# Altium PCB MB1272C.PcbDoc (part 4 of 10) (continued)
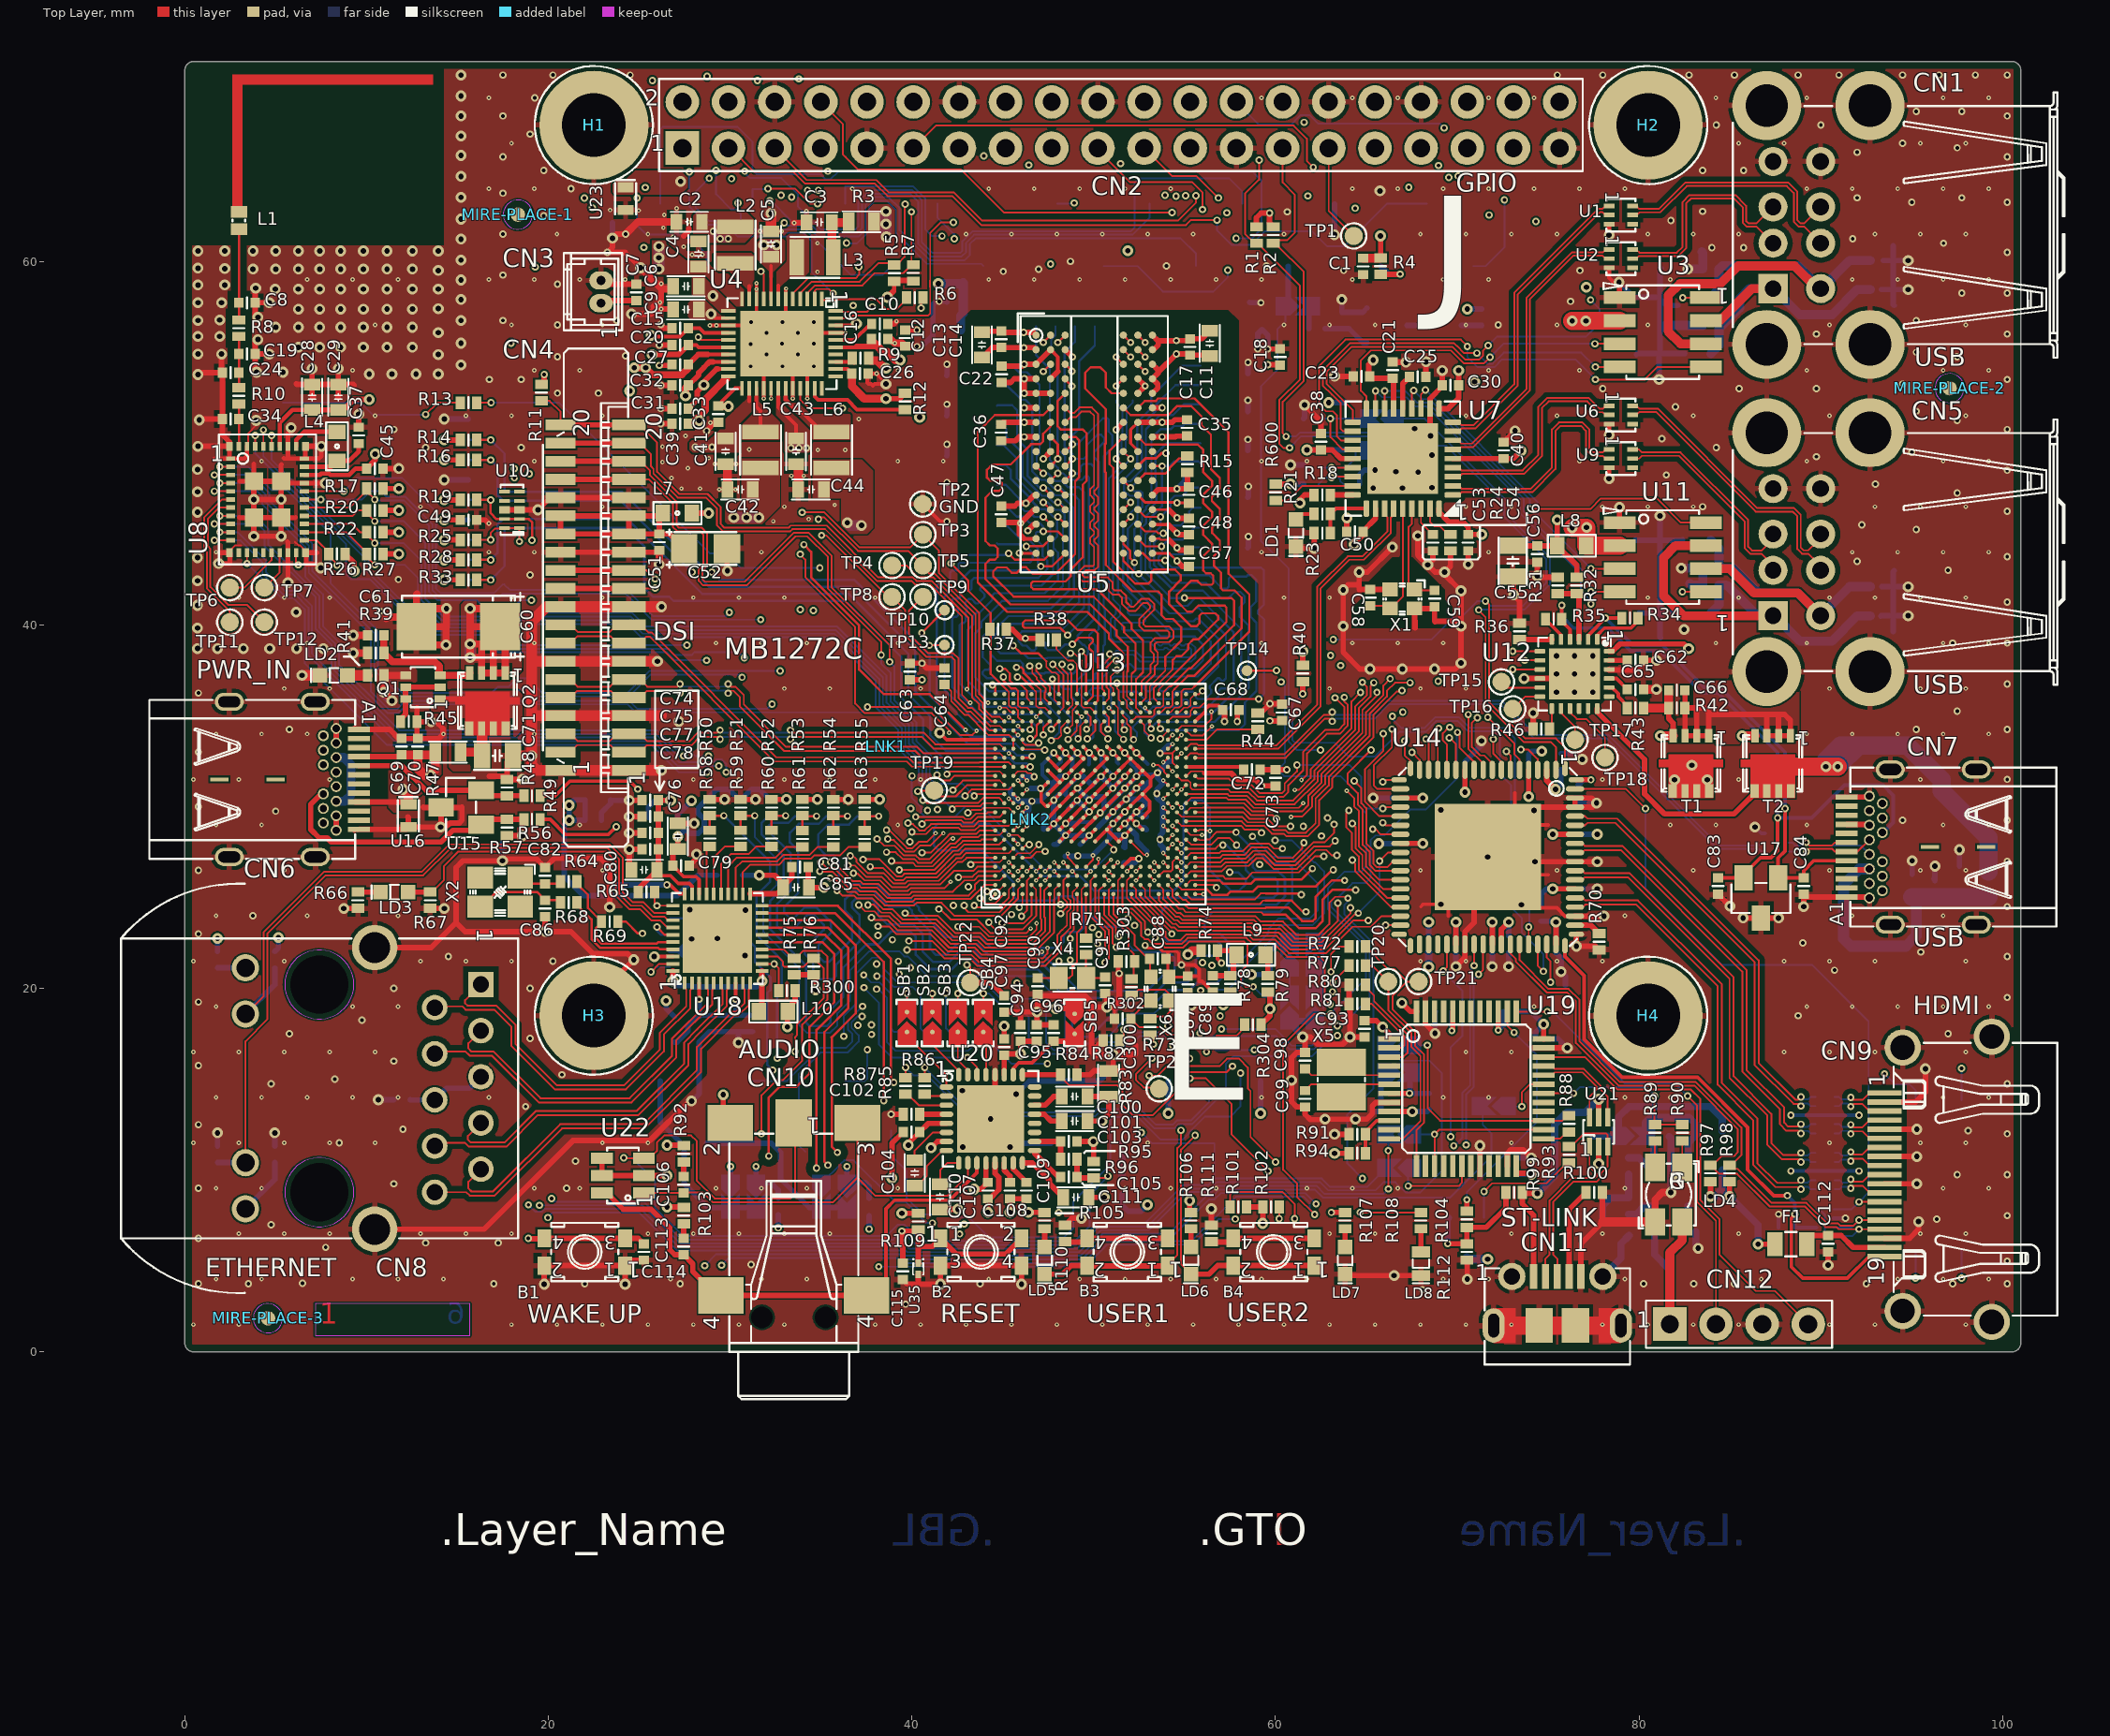
[diagram p0: Top Layer view]
## Nets (pads, with @x,y where several pads share a name; then routed paths per layer and width w, separated by ;. In a path a pad name is that pad's centre, name@x,y a point inside that pad or via, vN(x,y) a via of type N, cw(c..) or ccw(c..) an arc to the next point about the centre after c; other vN are vias at no path point) (continued)
  Top Layer w0.12: v1@48.05,47.52 U5.M3@48.43,47.14
  Bottom Layer w0.12: R124.1@44.68,53.15 44.71,53.18 45.25,53.18 45.25,53.161 46.031,52.38 46.249,52.38 46.62,52.009 46.62,48.441 47.081,47.98 47.34,47.98 47.78,47.54 v1(48.03,47.54) 48.19,47.54 48.554,47.176 48.894,47.176 49.2,46.87 49.2,41.267 47.993,40.06 45.48,40.06 45.07,39.65 45.07,39.35 44.73,39.01 44.73,38.574 44.864,38.44 46.123,38.44 46.401,38.162 47.432,38.162 47.46,38.19 48.57,38.19 v1@48.72,38.34 ; v1@48.64,38.32 v1@48.72,38.4
DDR_CASN: R116.1 U5.K3 U13.N20 | length 31.1
  Top Layer w0.09: U13.N20@50.58,34.69 50.39,34.5 50.39,34.13 v1(50.78,33.74)
  Top Layer w0.12: U5.K3@48.43,48.74 v1(48.83,49.14)
  Bottom Layer w0.12: R116.1@48.97,56.41 48.97,55.57 48.39,54.99 48.39,49.83 48.83,49.39 v1(48.83,49.14) 49.45,49.14 49.61,49.3 49.61,49.866 50.202,50.458 50.409,50.458 50.58,50.287 50.58,50.07 50.03,49.52 50.03,49.212 50.28,48.962 50.28,39.77 50.17,39.66 ; 50.169,39.661 49.969,39.661 49.75,39.441 49.75,39.203 50.1,38.853 50.1,37.996 50.36,37.736 50.36,37.577 50.08,37.297 50.08,37.05 49.97,36.94 49.677,36.94 49.168,36.431 49.168,36.248 49.736,35.681 50,35.681 50.12,35.561 50.12,34.894 50.33,34.684 50.33,34.19 v1(50.78,33.74)
DDR_CKE: R135.1 R136.2 U5.K9 U13.T20 | length 24.3
  Top Layer w0.09: U13.T20@52.08,34.69 52.33,34.94 53.205,34.94 53.33,35.065 53.33,35.324 53.446,35.44 53.694,35.44 53.83,35.576 53.83,36.303 54.147,36.62 54.25,36.62
  Top Layer w0.12: U5.K9@53.23,48.74 v1(53.76,48.74) ; 54.25,36.62 55.24,37.61 55.344,37.61 57.72,39.986 57.72,41.33 57.57,41.48 v1(54.99,41.48)
  Bottom Layer w0.12: 53.12,45.23 53.12,45.24 ; v1(54.99,41.48) 54.25,41.48 52.84,42.89 52.84,44.96 53.12,45.24 ; R135.1@55.86,48.91 55.78,48.99 R136.2@55.01,48.99 55,49 54.41,49 54.15,48.74 v1(53.76,48.74) 53.76,46.53 53.12,45.89 53.12,45.24
DDR_CLK_N: R125.2 U5.K7 U13.N23 | length 27
  Top Layer w0.1: U13.N23@50.58,36.19 50.58,36.371 50.49,36.461 50.49,36.465 50.48,36.475 50.48,37.77 50.88,38.17 v1(50.88,38.39) ; v1(51.23,49.14) U5.K7@51.63,48.74
  Bottom Layer w0.1: v1(50.88,38.39) 50.91,38.42 51.1,38.42 51.267,38.587 52.268,38.587 52.635,38.22 55.28,38.22 55.37,38.31 55.37,38.64 55.29,38.72 55.165,38.72 55.085,38.64 54.73,38.64 54.65,38.72 54.525,38.72 54.445,38.64 54.12,38.64 54.04,38.72 53.905,38.72 53.825,38.64 53.507,38.64 53.087,39.06 51.185,39.06 50.93,39.315 50.93,40.325 51.222,40.617 51.222,40.919 50.835,41.306 50.835,48.075 51.513,48.753 51.513,48.867 v1@51.24,49.14 ; v1(51.23,49.14) 51.23,49.19 51.52,49.48 51.52,50.21 51.58,50.27 51.58,51.89 51.24,52.23 R125.2@51.24,52.36
DDR_CLK_P: R125.1 U5.J7 U13.N22 | length 27.5
  Top Layer w0.09: 50.83,35.94 50.83,36.446
  Top Layer w0.1: U13.N22@50.58,35.69 50.83,35.94 ; 50.83,36.446 50.72,36.556 50.72,36.56 50.71,36.57 50.71,37.675 51.075,38.04 v1(51.25,38.04) ; U5.J7@51.63,49.54 v1(52.03,49.14)
  Bottom Layer w0.1: 51.065,41.401 51.069,41.401 51.069,47.984 51.743,48.657 51.743,48.85 52.03,49.137 v1(52.03,49.14) 51.75,49.42 51.75,50.114 51.81,50.174 51.81,51.89 52.14,52.22 R125.1@52.14,52.36 ; 51.11,41.36 51.452,41.018 51.452,40.522 51.16,40.23 51.16,39.41 51.28,39.29 53.182,39.29 53.602,38.87 53.73,38.87 53.81,38.95 54.135,38.95 54.215,38.87 54.35,38.87 54.43,38.95 54.745,38.95 54.825,38.87 54.99,38.87 55.07,38.95 55.385,38.95 55.6,38.735 55.6,38.215 55.375,37.99 52.54,37.99 52.173,38.357 51.363,38.357 51.26,38.255 51.26,38.05 v1(51.25,38.04)
DDR_CSN: R118.1 U5.L2 U13.M22 | length 31.5
  Top Layer w0.12: U5.L2@47.63,47.94 v1(48.03,48.34) ; v1(48.56,39.44) 48.16,39.84 46.19,39.84 46.11,39.92 46.11,40.12 46.24,40.25 48.58,40.25 49.11,39.72 50.04,39.72 50.23,39.53 50.23,35.84 U13.M22@50.08,35.69
  Bottom Layer w0.12: R118.1@46.82,56.41 46.82,54.859 47.59,54.089 47.59,49.071 47.817,48.844 48.03,48.631 v1(48.03,48.34) 48.321,48.34 48.681,47.98 49.35,47.98 49.55,48.18 49.67,48.18 49.74,48.11 49.74,40.619 v1@48.56,39.44
DDR_DQ0: U5.A2 U13.E22 | length 24
  Top Layer w0.09: 46.21,36.5 46.331,36.379 46.331,36.294 ; 46.33,36.086 46.33,36.294 ; 46.331,36.086 46.331,35.959 U13.E22@46.58,35.71
  Top Layer w0.12: v1(44.83,37.59) 45.129,37.59 45.39,37.329 45.39,36.94 45.56,36.77 45.94,36.77 46.21,36.5 ; U13.E22@46.58,35.69 U13.E22@46.58,35.71 ; v1(47.23,55.54) U5.A2@47.63,55.94
  Signal Layer 2 w0.12: v1@44.84,37.595 v1@44.89,37.595
  Signal Layer 2 w0.127: v1@44.84,37.595 44.28,37.595 44.02,37.855 44.02,40.635 46.74,43.355 46.74,44.685 46.85,44.795 46.85,45.515 46.74,45.625 46.74,52.931 47.604,53.795 47.604,54.442 47.24,54.806 v1@47.24,55.545
DDR_DQ1: U5.C3 U13.F22 | length 25.1
  Top Layer w0.09: 46.83,36.67 47.08,36.42 U13.F22@47.08,35.69
  Top Layer w0.12: v1@45.8,37.66 46.01,37.66 46.14,37.53 46.14,37.36 46.83,36.67 ; U5.C3@48.43,54.34 48.8,53.97 v1(48.8,53.95)
  Signal Layer 2 w0.127: v1@45.76,37.665 45.76,38.045 44.95,38.855 44.95,39.345 50.16,44.555 50.16,44.825 49.99,44.995 49.35,44.995 49.07,45.275 49.07,45.545 49.3,45.775 49.55,45.775 49.82,46.045 49.82,46.425 49.63,46.615 48.99,46.615 48.59,47.015 48.59,47.265 49.206,47.881 49.206,49.821 49.42,50.035 49.42,50.905 48.386,51.938 48.386,53.31 48.635,53.558 48.635,53.78 v1@48.81,53.955
  other v1: 45.75,37.66
DDR_DQ2: U5.A7 U13.H21 | length 25.4
  Top Layer w0.09: v1(47.75,37.83) 48.335,37.245 ; U13.H21@48.08,35.19 48.08,35.2 48.335,35.455 ; 48.33,35.455 48.33,37.245
  Top Layer w0.12: U5.A7@51.63,55.94 v1(52.03,55.54)
  Signal Layer 2 w0.127: v1@47.76,37.835 47.76,38.365 48.164,38.769 48.164,39.615 48.947,40.398 51.253,40.398 53.297,42.442 53.297,51.998 52.44,52.855 52.44,55.145 v1@52.04,55.545
DDR_DQ3: U5.C2 U13.E21 | length 24.1
  Top Layer w0.09: 45.71,36.5 45.83,36.38 45.83,35.58 45.97,35.44 46.33,35.44 U13.E21@46.58,35.19
  Top Layer w0.12: v1(45.03,37.13) 45.03,36.93 45.46,36.5 45.71,36.5 ; v1(47.23,53.94) U5.C2@47.63,54.34
  Signal Layer 2 w0.12: v1@45.04,37.135 v1@45.09,37.135
  Signal Layer 2 w0.127: v1@45.04,37.135 43.78,37.135 43.54,37.375 43.54,43.175 45.5,45.135 45.5,46.895 45.74,47.135 45.74,48.195 45.63,48.305 45.63,53.535 46.04,53.945 v1@47.24,53.945
DDR_DQ4: U5.B8 U13.J21 | length 26.2
  Top Layer w0.09: U13.J21@48.583,35.185 48.583,35.339 48.83,35.586 48.83,35.915 48.773,35.972 ; v1(48.73,37.69) 48.73,37.399 48.77,37.359 48.77,35.972
  Top Layer w0.12: U5.B8@52.43,55.245 U5.B8@52.43,55.14 v1(52.83,54.74)
  Signal Layer 2 w0.127: v1@48.735,37.69 48.95,37.475 49.524,37.475 50.307,38.258 50.307,38.435 51.37,39.498 53.213,39.498 54.36,40.645 54.36,41.364 55.59,42.594 55.59,42.75 ; v1@52.84,54.745 55.593,51.992 55.593,42.75
DDR_DQ5: U5.C8 U13.J22 | length 25
  Top Layer w0.09: v1(48.25,37.83) 48.25,37.61 48.58,37.28 U13.J22@48.58,35.69
  Top Layer w0.12: U5.C8@52.43,54.34 52.43,54.32 v1@52.81,53.94
  Signal Layer 2 w0.127: v1@48.26,37.835 48.501,38.076 49.521,38.076 49.88,38.435 49.88,38.955 50.85,39.925 52.67,39.925 53.11,40.365 53.11,40.635 52.83,40.915 52.83,41.327 53.188,41.685 54.05,41.685 54.35,41.985 54.35,42.465 54.97,43.085 54.97,51.842 v1@52.867,53.945
  other v1: 52.83,53.94
DDR_DQ6: U5.D7 U13.H22 | length 25.4
  Top Layer w0.09: v1(47.73,37.02) v1@47.835,36.915 ; 47.83,35.895 v1@47.83,36.915 ; 47.835,35.895 48.08,35.65 U13.H22@48.08,35.69
  Top Layer w0.12: v1@51.25,53.16 U5.D7@51.63,53.54
  Signal Layer 2 w0.127: v1@47.74,37.025 47.38,37.385 47.38,39.005 47.72,39.345 47.72,40.03 48.515,40.825 51.014,40.825 52.87,42.681 52.87,47.865 52.68,48.055 52.33,48.055 52.13,48.255 52.13,48.395 52.31,48.575 52.64,48.575 52.79,48.725 52.79,49.685 52.53,49.945 51.87,49.945 51.7,50.115 51.7,50.545 51.82,50.665 52.49,50.665 52.67,50.845 52.67,51.265 51.75,52.185 51.5,52.185 51.24,52.445 v1@51.24,53.145
  other v1: 51.23,53.14
DDR_DQ7: U5.A3 U13.G21 | length 25.9
  Top Layer w0.09: 46.66,36.49 46.83,36.32 46.83,36.086 46.828,36.084 46.828,35.796 46.83,35.794 46.83,35.586 ; 46.83,35.586 46.83,35.554 46.943,35.44 46.976,35.44 ; 46.979,35.44 47.181,35.44 ; 47.186,35.44 47.323,35.44 47.573,35.19 U13.G21@47.58,35.19
  Top Layer w0.12: v1(45.8,37.14) 46.01,37.14 46.66,36.49 ; v1(48.03,55.54) U5.A3@48.43,55.94
  Signal Layer 2 w0.127: v1@45.81,37.145 45.61,37.145 45.33,37.425 45.33,37.89 45.19,38.03 44.595,38.03 44.45,38.175 44.45,39.953 45.621,41.124 45.621,41.556 45.83,41.765 46.262,41.765 48.655,44.158 48.655,44.58 47.65,45.585 47.65,49.995 48.2,50.545 48.2,51.445 47.78,51.865 47.78,53.298 47.96,53.477 47.96,53.487 48.04,53.568 v1@48.04,55.545
DDR_DQ8: U5.F2 U13.T21 | length 26
  Top Layer w0.09: 51.48,38.61 51.63,38.46 51.63,36 51.83,35.795 51.83,35.435 ; 51.835,35.435 U13.T21@52.08,35.19
  Top Layer w0.12: U5.F2@47.63,51.94 47.23,51.54 44.56,51.54 43.62,50.6 43.62,42.34 45.25,40.71 49.644,40.71 50.83,39.524 50.83,39.25 51.45,38.63
DDR_DQ9: U5.E3 U13.U21 | length 26.2
  Top Layer w0.09: 52.33,35.435 52.33,37.02 ; 52.335,35.435 U13.U21@52.58,35.19
  Top Layer w0.12: U5.E3@48.43,52.74 48.02,52.33 48.02,50.93 48.21,50.74 49.41,50.74 49.61,50.54 49.61,47.932 49.4,47.722 49.4,43.722 48.74,43.062 48.74,42.68 48.45,42.39 46.66,42.39 46.56,42.29 46.56,42.08 46.67,41.97 50.166,41.97 52.09,40.046 52.09,39.772 52.717,39.145 52.717,37.397 52.34,37.02
DDR_DQ10: U5.G2 U13.T22 | length 25.9
  Top Layer w0.09: 51.83,37.43 51.83,36.077 52.08,35.827 U13.T22@52.08,35.69
  Top Layer w0.12: U5.G2@47.63,51.14 47.63,50.92 47.22,50.51 47.22,50.1 47.06,49.94 46.55,49.94 45.435,48.825 44.425,48.825 44.13,48.53 44.13,48.1 44.3,47.93 44.83,47.93 44.95,47.81 44.95,47.52 44.8,47.37 44.41,47.37 44.04,47 44.04,44.62 44.29,44.37 44.55,44.37 44.72,44.2 44.72,43.74 44.56,43.58 44.27,43.58 44.04,43.35 44.04,42.514 45.424,41.13 49.818,41.13 51.25,39.698 51.25,39.424 51.877,38.797 51.877,37.452 51.855,37.43
DDR_DQ11: U5.F7 U13.W21 | length 25.8
  Top Layer w0.09: U13.W21@53.58,35.19 53.713,35.19 53.963,35.44 54.193,35.44 54.33,35.577 54.33,36.351 ; 54.335,36.351 54.457,36.473
  Top Layer w0.12: U5.F7@51.63,51.94 52.03,51.54 54.1,51.54 54.6,52.04 55.356,52.04 55.933,51.463 55.933,50.977 56.45,50.46 56.45,48.57 56.94,48.08 56.94,47.496 56.497,47.053 56.497,46.823 56.94,46.38 56.94,45.786 56.51,45.356 56.51,45.06 56.94,44.63 56.94,44.106 56.61,43.776 56.61,43.26 57,42.87 57,42.01 57.11,41.9 57.744,41.9 58.14,41.504 58.14,39.81 55.52,37.19 55.174,37.19 54.457,36.473
DDR_DQ12: U5.H8 U13.W23 | length 25.1
  Top Layer w0.09: U13.W23@53.58,36.19 53.58,36.44 54.245,37.105
  Top Layer w0.12: U5.H8@52.43,50.34 52.85,49.92 55.73,49.92 56.03,49.62 56.03,48.396 56.52,47.906 56.52,47.67 56.03,47.18 56.03,46.696 56.52,46.206 56.52,45.96 56.03,45.47 56.03,44.946 56.52,44.456 56.52,44.28 56.03,43.79 56.03,42.99 56.182,42.838 56.438,42.838 56.58,42.696 56.58,42.3 56.487,42.207 55.92,42.207 55.707,42.42 55.336,42.42 54.57,41.654 54.57,41.306 55.148,40.728 55.426,40.728 55.758,41.06 57.2,41.06 57.3,40.96 57.3,40.16 54.245,37.105
DDR_DQ13: U5.H3 U13.T23 | length 25.3
  Top Layer w0.09: U13.T23@52.08,36.19 52.08,37.31
  Top Layer w0.12: U5.H3@48.43,50.34 49.02,50.34 49.19,50.17 49.19,48.106 48.98,47.896 48.98,43.896 47.894,42.81 46.64,42.81 46.28,43.17 46.08,43.17 45.78,42.87 45.49,42.87 45.2,43.16 44.69,43.16 44.469,42.939 44.469,42.679 45.598,41.55 49.992,41.55 51.67,39.872 51.67,39.598 52.297,38.971 52.297,37.507 52.1,37.31
DDR_DQ14: U5.H7 U13.W22 | length 24.5
  Top Layer w0.09: U13.W22@53.58,35.69 53.31,35.96 53.31,36.53 54.34,37.56 54.34,37.794 54.355,37.809
  Top Layer w0.12: U5.H7@51.63,50.34 50.87,49.58 50.87,48.84 51.08,48.63 51.08,44.18 51.08,43.476 52.291,42.265 52.99,42.265 53.17,42.445 53.17,42.9 53.32,43.05 54.47,43.05 54.78,42.74 54.78,42.458 54.15,41.828 54.15,41.132 55.362,39.92 55.65,39.92 55.81,40.08 55.81,40.5 55.95,40.64 56.69,40.64 56.84,40.49 56.84,40.294 55.746,39.2 55.477,39.2 55.198,38.921 55.198,38.652 54.826,38.28 54.557,38.28 54.355,38.078 54.355,37.809
DDR_DQ15: U5.F8 U13.Y21 | length 24.2
  Top Layer w0.09: U13.Y21@54.079,35.192 54.216,35.192 54.464,35.44 54.692,35.44 54.83,35.578 54.83,36.345 ; 54.835,36.345 54.97,36.48 55.404,36.48 55.517,36.593
  Top Layer w0.12: U5.F8@52.43,51.94 52.81,52.32 53.43,52.32 53.457,52.347 ; 53.444,52.36 53.544,52.46 55.55,52.46 57.42,50.59 57.42,42.818 58.56,41.678 58.56,39.636 55.517,36.593
DDR_DQM0: U5.D3 U13.H23 | length 24.7
  Top Layer w0.09: 47.39,37.997 47.39,37.68 47.697,37.373 47.897,37.373 48.08,37.19 U13.H23@48.08,36.19
  Top Layer w0.12: v1(45.57,38.86) 45.99,38.44 46.947,38.44 47.39,37.997 ; U5.D3@48.41,53.543 48.387,53.52 48.41,53.52 v1(48.8,53.13)
  Signal Layer 2 w0.127: v1@45.58,38.865 45.58,39.371 48.334,42.125 49.65,42.125 49.78,42.255 49.78,42.475 49.67,42.585 49.22,42.585 49.087,42.718 49.087,42.878 49.564,43.355 49.82,43.355 50.587,44.122 50.587,45.002 50.247,45.342 50.247,46.045 50.41,46.208 50.41,46.625 49.993,47.042 49.493,47.042 49.347,47.188 49.347,47.418 49.633,47.705 49.633,49.645 49.847,49.858 49.847,51.082 48.813,52.115 v1@48.813,53.134
DDR_DQM1: U5.E7 U13.V22 | length 26.8
  Top Layer w0.09: 50.675,43.308 50.675,44.61 ; U13.V22@53.08,35.69 53.08,36.62 53.935,37.475 53.935,37.728
  Top Layer w0.12: U5.E7@51.63,52.74 50.98,52.74 50.66,53.06 50.66,53.87 50.35,54.18 49.84,54.18 49.53,53.87 49.53,53 50.66,51.87 50.66,49.98 50.62,49.94 50.62,48.43 50.66,48.39 50.66,43.302 52.117,41.845 53.539,41.845 53.73,41.654 53.73,40.53 53.933,40.327 54.362,40.327 54.807,39.882 54.807,39.124 53.935,38.252 53.935,37.728
DDR_DQS0_N: U5.B7 U13.G23 | length 24.7
  Top Layer w0.1: v1(46.98,37.74) 46.85,37.61 46.85,37.45 47.09,37.21 47.09,37.103 47.58,36.613 U13.G23@47.58,36.19 ; U5.B7@51.63,55.14 v1(52.03,54.74)
  Signal Layer 2 w0.09: v1@46.99,37.76 46.85,37.9 46.85,39.738 48.598,41.486 50.467,41.486 50.965,41.985 50.965,42.635 50.733,42.868 50.733,43.162 50.988,43.417 51.348,43.417 51.72,43.79 51.72,44.345 51.225,44.839 51.225,46.895 50.485,47.635 50.485,53.665 50.565,53.745 51.525,53.745 51.75,53.97 51.75,54.47 v1@52.025,54.745
DDR_DQS0_P: U5.C7 U13.G22 | length 25.4
  Top Layer w0.1: v1(46.48,37.74) 46.62,37.6 46.62,37.355 46.86,37.115 46.86,37.007 47.35,36.517 47.35,36.314 47.3,36.264 47.3,35.97 U13.G22@47.58,35.69 ; v1(51.23,54.74) U5.C7@51.63,54.34
  Signal Layer 2 w0.09: v1@46.49,37.765 46.61,37.885 46.61,39.823 48.503,41.716 50.371,41.716 50.735,42.08 50.735,42.54 50.503,42.772 50.503,43.258 50.892,43.647 51.252,43.647 51.49,43.885 51.49,44.25 50.995,44.744 50.995,46.799 50.255,47.539 50.255,53.76 50.47,53.975 51.43,53.975 51.52,54.065 51.52,54.465 v1@51.24,54.745
  Signal Layer 2 w0.1: v1@51.24,54.745 v1@51.28,54.745
DDR_DQS1_N: U5.G3 U13.U23 | length 25.2
  Top Layer w0.1: U5.G3@48.43,51.14 48.71,51.42 49.005,51.42 49.315,51.73 49.8,51.73 50.02,51.51 50.02,47.69 49.81,47.48 49.81,47.13 50.02,46.92 50.02,46.755 49.81,46.545 49.81,46.22 50.02,46.01 50.02,45.855 49.81,45.645 49.81,45.33 50.02,45.12 50.02,45.005 49.81,44.795 49.81,44.48 50.02,44.27 50.02,43.305 49.955,43.24 49.498,43.24 49.167,42.909 49.167,42.615 49.401,42.38 50.677,42.38 50.8,42.257 50.8,41.916 51.056,41.66 51.397,41.66 51.548,41.508 51.548,41.167 51.955,40.76 52.285,40.76 52.73,41.205 52.945,41.205 53.09,41.06 53.09,40.915 52.5,40.325 52.5,39.942 52.755,39.687 54.04,39.687 54.167,39.56 54.167,39.389 54.06,39.282 53.372,39.282 53.127,39.037 53.127,38.568 53.295,38.4 53.295,37.972 53.127,37.804 53.127,37.382 52.63,36.885 52.63,36.24 U13.U23@52.58,36.19
DDR_DQS1_P: U5.F3 U13.U22 | length 26.2
  Top Layer w0.1: U5.F3@48.43,51.94 48.72,51.65 48.91,51.65 49.22,51.96 49.895,51.96 50.25,51.605 50.25,47.595 50.04,47.385 50.04,47.225 50.25,47.015 50.25,46.66 50.04,46.45 50.04,46.315 50.25,46.105 50.25,45.76 50.04,45.55 50.04,45.425 50.25,45.215 50.25,44.91 50.04,44.7 50.04,44.575 50.25,44.365 50.25,43.21 50.05,43.01 49.593,43.01 49.397,42.813 49.397,42.71 49.497,42.61 50.772,42.61 51.03,42.352 51.03,42.011 51.151,41.89 51.492,41.89 51.786,41.596 51.786,41.255 52.05,40.99 52.19,40.99 52.635,41.435 53.04,41.435 53.32,41.155 53.32,40.82 52.73,40.23 52.73,40.037 52.85,39.917 54.135,39.917 54.397,39.655 54.397,39.294 54.155,39.052 53.468,39.052 53.357,38.942 53.357,38.663 53.525,38.495 53.525,37.876 53.357,37.708 53.357,37.287 52.86,36.79 52.86,35.97 U13.U22@52.58,35.69
DDR_ODT: R122.1 U5.K1 U13.L22 | length 31.3
  Top Layer w0.12: U5.K1@46.83,48.74 v1(47.23,48.34) ; v1(48.82,38.93) 49.19,39.3 49.85,39.3 49.96,39.19 49.96,39.08 49.75,38.87 49.75,38.704 49.957,38.497 49.957,36.067 U13.L22@49.58,35.69
  Bottom Layer w0.12: R122.1@44.68,54.22 44.73,54.27 45.52,54.27 45.89,53.9 46.329,53.9 47.02,53.209 47.02,49.439 46.87,49.289 46.87,48.7 v1(47.23,48.34) 47.479,48.34 47.904,47.915 48.235,47.915 48.565,47.585 49.175,47.585 49.47,47.29 49.47,40.943 48.167,39.64 46.06,39.64 45.86,39.44 45.86,39.099 46.099,38.86 46.297,38.86 46.575,38.582 46.73,38.582 46.83,38.682 46.83,38.94 47.01,39.12 47.23,39.12 47.34,39.01 47.34,38.74 47.47,38.61 48.11,38.61 48.43,38.93 v1(48.82,38.93)
DDR_RASN: R115.1 U5.J3 U13.N21 | length 30.1
  Top Layer w0.09: U13.N21@50.58,35.19 50.83,34.93 v1@50.83,34.32 ; v1(50.78,34.26) v1@50.84,34.32
  Top Layer w0.1: U5.J3@48.416,49.52 U5.J3@48.418,49.521
  Top Layer w0.12: U5.J3@48.43,49.54 v1(48.83,49.94)
  Bottom Layer w0.12: R115.1@50.06,56.41 50.06,55.37 49.19,54.5 49.19,50.78 48.83,50.42 v1(48.83,49.94) 49.09,49.94 50.51,51.36 50.75,51.36 50.82,51.29 50.82,50.641 51.02,50.441 51.02,49.74 50.55,49.27 50.55,40.94 50.62,40.87 50.62,38.93 50.52,38.83 50.52,38.17 50.78,37.91 50.78,37.403 50.5,37.123 50.5,36.6 50.42,36.52 49.92,36.52 49.76,36.36 49.76,36.251 49.91,36.101 50.459,36.101 50.54,36.02 50.54,35.068 50.75,34.858 v1@50.75,34.26
DDR_RESETN: R37.2 U5.T2 U13.D20 | length 16.7
  Top Layer w0.09: 45.226,36.413 45.33,36.309 45.33,35.57 45.46,35.44 45.688,35.44 45.83,35.3 45.83,34.94 U13.D20@46.08,34.69
  Top Layer w0.12: v1(42.15,43.38) 43.09,42.44 43.09,41.89 44.33,40.65 44.33,37.3 44.339,37.3 45.226,36.413 ; v1(45.32,43.93) 45.66,43.59 ; 45.66,43.58 47.28,43.58 ; 47.28,43.59 U5.T2@47.63,43.94
  Bottom Layer w0.12: v1(42.15,43.38) 42.15,43.75 42.25,43.85 45.12,43.85 45.2,43.93 v1(45.32,43.93)
DDR_WEN: R117.1 U5.L3 U13.M20 | length 30.2
  Top Layer w0.09: v1(49.65,33.73) 50.08,34.16 U13.M20@50.08,34.69
  Top Layer w0.12: U5.L3@48.43,47.94 v1(48.83,48.34)
  Bottom Layer w0.12: R117.1@47.9,56.41 47.9,55.93 47.66,55.69 47.66,55.15 48.01,54.8 48.01,49.669 48.43,49.249 48.43,48.74 v1(48.83,48.34) ; 48.4,36.9 49.044,36.9 49.746,37.603 49.746,37.756 49.56,37.942 49.56,38.26 49.68,38.38 49.68,38.689 49.474,38.895 ; 48.44,36.9 48.4,36.9 48.21,36.9 48.151,36.841 48.151,36.671 48.341,36.481 48.669,36.481 48.748,36.402 48.748,36.074 49.69,35.133 49.69,34.73 49.97,34.45 49.97,34.33 49.97,33.81 49.89,33.73 v1(49.65,33.73) v1@49.65,33.791 ; v1@48.797,48.33 49.17,48.33 49.29,48.45 49.29,48.71 49.43,48.85 49.86,48.85 50.01,48.7 50.01,40.295 49.11,39.395 49.11,39.2 49.42,38.89 49.469,38.89
DSCL: CN9.15 R98.1 U14.49 U33.3 | length 32.3
  Top Layer w0.1: U14.49@73.425,22.425 73.425,21.55 75,19.975 76.125,19.975 76.725,19.375 76.725,17.083 78.958,14.85 83.121,14.85 85.625,12.346 85.625,10.825 85.075,10.275 R98.1@84.975,10.275 84.975,10.075 85.408,10.075 87.283,8.2 89.208,8.2 90.333,7.075 90.933,7.075 91.058,6.95 91.8,6.95 v1(92.1,7.25) CN9.15@93.5,7.25
  Bottom Layer w0.1: U33.3@90.7,6.85 91.7,6.85 v1(92.1,7.25)
DSDA: CN9.16 R97.1 U14.48 U33.6 | length 36.2
  Top Layer w0.1: U14.48@72.925,22.425 72.925,21.925 73.225,21.625 73.225,21.467 74.917,19.775 76.042,19.775 76.525,19.292 76.525,17 78.875,14.65 83.039,14.65 85.425,12.264 85.425,10.975 85.225,10.775 84.55,10.775 84.05,10.275 R97.1@83.925,10.275 84.4,9.8 85.4,9.8 87.2,8 89.125,8 90.25,6.875 90.85,6.875 90.975,6.75 v1(92.1,6.75) CN9.16@93.5,6.75
  Bottom Layer w0.1: U33.6@89.75,7.85 89.912,7.85 90.225,7.537 90.225,6.625 90.475,6.375 91.725,6.375 v1(92.1,6.75)
DSI_CK_N: CN4.5 U13.A16 | length 26.4
  Top Layer w0.09: 30.337,36.226 30.337,36.233
  Top Layer w0.1: CN4.5@20.675,36 21.215,36 21.584,36.369 23.436,36.369 23.805,36 CN4.5@24.425,36 25.053,36 25.424,36.371 27.117,36.371 v1(27.245,36.243) ; v1(29.897,36.24) 30.029,36.373 30.191,36.373 30.337,36.226 30.525,36.039 30.525,35.52 32.981,33.064 40.181,33.064 40.555,32.69 U13.A16@44.58,32.69
  Bottom Layer w0.1: v1(27.245,36.243) 27.378,36.375 29.762,36.375 v1(29.897,36.24)
DSI_CK_P: CN4.6 U13.B16 | length 27.1
  Top Layer w0.09: 43.697,32.93 43.707,32.94 44.83,32.94 U13.B16@45.08,32.69
  Top Layer w0.1: CN4.6@20.675,37 21.202,37 21.604,36.599 23.394,36.599 23.795,37 CN4.6@24.425,37 25.044,37 25.443,36.601 27.103,36.601 v1(27.245,36.743) ; v1(29.897,36.74) 30.034,36.603 30.286,36.603 30.755,36.134 30.755,35.615 33.076,33.294 40.276,33.294 40.64,32.93 43.697,32.93
  Bottom Layer w0.1: v1(27.245,36.743) 27.383,36.605 29.762,36.605 v1(29.897,36.74)
DSI_D0_N: CN4.8 U13.B15 | length 27.8
  Top Layer w0.09: 43.698,32.2 43.708,32.19 U13.B15@45.08,32.19
  Top Layer w0.1: CN4.8@20.675,39 21.223,39 21.608,39.385 23.423,39.385 23.808,39 CN4.8@24.425,39 25.053,39 25.405,39.352 25.573,39.352 32.44,32.485 39.71,32.485 39.995,32.2 43.698,32.2
DSI_D0_P: CN4.9 U13.C15 | length 28.5
  Top Layer w0.09: 43.699,32.43 43.709,32.44 45.33,32.44 U13.C15@45.58,32.19
  Top Layer w0.1: CN4.9@20.675,40 21.232,40 21.617,39.615 23.378,39.615 23.763,40 CN4.9@24.425,40 25.082,40 25.5,39.582 25.668,39.582 32.535,32.715 39.805,32.715 40.09,32.43 43.699,32.43
DSI_D1_N: CN4.2 U13.A17 | length 25.1
  Top Layer w0.09: 43.7,33.2 43.71,33.19 U13.A17@44.58,33.19
  Top Layer w0.1: CN4.2@20.675,33 21.208,33 21.593,33.385 23.418,33.385 23.803,33 CN4.2@24.425,33 25.034,33 25.405,33.371 27.861,33.371 28.332,33.842 29.311,33.842 v1(29.446,33.707) ; v1(33.313,33.707) 33.448,33.842 40.544,33.842 41.186,33.2 43.7,33.2
  Bottom Layer w0.1: v1(29.446,33.707) 29.581,33.842 33.178,33.842 v1(33.313,33.707)
DSI_D1_P: CN4.3 U13.B17 | length 25.7
  Top Layer w0.09: 43.697,33.43 43.707,33.44 44.83,33.44 U13.B17@45.08,33.19
  Top Layer w0.1: CN4.3@20.675,34 21.221,34 21.606,33.615 23.38,33.615 23.765,34 CN4.3@24.425,34 25.047,34 25.447,33.601 27.766,33.601 28.237,34.072 29.311,34.072 v1(29.446,34.207) ; v1(33.313,34.207) 33.448,34.072 40.639,34.072 41.281,33.43 43.697,33.43
  Bottom Layer w0.1: v1(29.446,34.207) 29.581,34.072 33.178,34.072 v1(33.313,34.207)
DSI_LCD_BL_CTRL: CN4.19 U13.C19 | length 35.9
  Top Layer w0.09: 33.424,45.27 34.759,45.27 35.224,45.27 38.074,42.42 38.301,42.42 38.302,42.419 39.973,42.419 40.172,42.22 41.011,42.22 42.76,40.471 42.76,36.155 v4(43.202,35.712)
  Top Layer w0.1: CN4.19@24.425,50 25.025,50 25.65,49.375 25.65,48.725 25.783,48.592 25.783,48.335 27.112,47.005 28.675,47.005 29.275,46.405 29.275,45.475 29.6,45.15 33.309,45.15 33.424,45.265 ; U13.C19@45.58,34.19 v2(45.83,33.94)
  Top Layer w0.3: CN4.19@20.675,50 CN4.19@24.425,50
  Signal Layer 1 w0.09: v4(43.202,35.712) 43.532,35.712 44.454,34.79 44.81,34.79 45.35,34.25 45.52,34.25 v2(45.83,33.94)
DSI_LCD_INT: CN4.17 U13.A14 | length 39.2
  Top Layer w0.1: CN4.17@24.425,48 25.551,48 26.85,46.701 26.85,45.4 27.1,45.15 28.35,45.15 28.525,44.975 28.525,43.3 28.275,43.05 28.275,42.425 28.525,42.175 30.9,42.175 33.6,44.875 34.237,44.875 35.38,43.732 35.38,41.994 38.305,39.069 v1(38.305,38.34) ; v1(41.38,31.74) 41.68,31.44 42.075,31.44 42.325,31.69 U13.A14@44.58,31.69
  Top Layer w0.3: CN4.17@20.675,48 CN4.17@24.425,48
  Bottom Layer w0.1: v1(38.305,38.34) 38.305,37.865 38.83,37.34 38.83,35.776 40.04,34.566 40.04,33.533 41.38,32.193 v1(41.38,31.74)
DSI_RESET: CN4.20 R11.2 U13.D19 | length 38.5
  Top Layer w0.1: R11.2@19.625,52.325 20.075,52.325 20.675,51.725 CN4.20@20.675,51 ; CN4.20@24.425,51 24.425,50.825 25.195,50.825 25.983,50.037 25.983,48.417 27.195,47.205 28.758,47.205 29.475,46.488 29.475,45.558 29.683,45.35 33.226,45.35 33.341,45.465 33.507,45.465 33.517,45.465 34.84,45.465 35.305,45.465 38.155,42.615 38.82,42.615 ; v4(43.03,36.466) 43.105,36.54 43.105,40.402 41.092,42.415 40.253,42.415 40.054,42.614 38.821,42.614 ; v2(45.83,34.44) U13.D19@46.08,34.19 ; 38.82,42.615 38.821,42.614
  Top Layer w0.3: CN4.20@20.675,51 CN4.20@24.425,51
  Signal Layer 1 w0.09: v4(43.03,36.466) 43.048,36.466 44.533,34.98 44.889,34.98 45.429,34.44 v2(45.83,34.44)
DSI_TE: CN4.18 U13.B14 | length 40
  Top Layer w0.09: 44.28,31.94 44.83,31.94 U13.B14@45.08,31.69
  Top Layer w0.1: CN4.18@24.425,49 25.085,49 25.583,48.503 25.583,48.252 27.05,46.784 27.05,45.483 27.183,45.35 28.433,45.35 28.725,45.058 28.725,43.217 28.475,42.967 28.475,42.508 28.608,42.375 30.817,42.375 33.517,45.075 34.32,45.075 35.58,43.815 35.58,42.077 38.78,38.877 v1(38.78,37.967) ; v1(41.93,31.79) 42.08,31.94 44.28,31.94
  Top Layer w0.3: CN4.18@20.675,49 CN4.18@24.425,49
  Bottom Layer w0.1: v1(38.78,37.967) 39.03,37.717 39.03,35.859 40.24,34.649 40.24,33.616 41.93,31.926 v1(41.93,31.79)
ETH_CLK: R69.2 U13.Y8 | length 74.2
  Top Layer w0.1: v2(53.83,28.94) U13.Y8@54.08,28.69
  Top Layer w0.13: R69.2@23.825,23.675 24.275,23.675 24.925,23.025 v1(25.175,23.025)
  Signal Layer 1 w0.1: v2(53.83,28.94) 53.941,28.94 54.216,29.215 57.855,29.215 58.28,28.79 58.28,27.665 v1(59.13,26.815)
  Signal Layer 2 w0.13: v1(25.175,23.025) 25.45,22.75 26.15,22.75 28.95,19.95 28.95,13.27 29.395,12.825 33.245,12.825 35.53,15.11 38.224,15.11 39.129,16.015 41.793,16.015 43.768,14.04 44.828,14.04 45.413,13.455 46.459,13.455 47.573,12.341 48.45,12.341 48.725,12.616 48.725,14.946 49.439,15.66 50.901,15.66 51.665,14.896 51.665,13.18 51.815,13.03 53.347,13.03 53.907,13.59 55.482,13.59 56.731,12.341 57.518,12.341 57.965,12.788 57.965,13.628 59.27,14.933 59.27,17.347 58.85,17.767 58.85,18.345 57.985,19.21 57.985,20.728 58.85,21.593 58.85,25.505 59.13,25.785 v1(59.13,26.815)
ETH_CLK125: R153.1 U13.Y6 | length 68.6
  Top Layer w0.1: U13.Y6@54.08,27.69 v2(54.33,27.94)
  Signal Layer 1 w0.1: v2(54.33,27.94) 54.605,28.215 54.955,28.215 56.43,26.74 57.626,26.74 57.831,26.535 57.831,25.719 62.625,20.925 62.625,19.725 59.975,17.075 58.733,17.075 57.758,16.1 55.32,16.1 v1(55.28,16.14)
  Signal Layer 2 w0.13: v1(32.338,15.5) 38.063,15.5 38.968,16.405 41.954,16.405 43.67,14.69 47.917,14.69 50.043,16.815 51.268,16.815 51.625,16.458 51.625,16.133 51.985,15.773 51.985,15.738 52.055,15.668 52.055,13.695 52.33,13.42 53.186,13.42 53.746,13.98 54.785,13.98 55.38,14.575 57.23,14.575 57.35,14.695 57.35,15.331 57.156,15.525 55.376,15.525 55.28,15.621 v1(55.28,16.14)
  Bottom Layer w0.13: R153.1@26.7,23.85 29.799,23.85 31.375,22.274 31.375,21.447 32.225,20.597 32.225,19.933 32.05,19.758 32.05,15.788 v1(32.338,15.5)
ETH_GTX_CLK: U13.AB2 U18.20 | length 71
  Top Layer w0.09: U13.AB2@55.08,25.69 55.33,25.94 56.28,25.94
  Top Layer w0.1: 38.83,16.965 38.834,16.961
  Top Layer w0.13: U18.20@31.75,24.55 31.76,24.54 35.923,24.54 38.845,21.618 38.845,14.98 v1(39,14.825) ; 56.28,25.94 56.925,25.94 57.115,25.75 58.633,25.75 58.887,26.004 61.444,26.004 v1(62.03,26.59)
  Signal Layer 2 w0.13: v1(39,14.825) 39,13.441 39.736,12.705 40.05,12.705 40.4,13.055 40.4,14.61 40.7,14.91 41.44,14.91 41.875,14.475 41.875,13.13 42.3,12.705 43.547,12.705 44.132,13.29 44.518,13.29 45.103,12.705 46.148,12.705 47.262,11.591 48.782,11.591 49.475,12.284 49.475,14.635 49.75,14.91 50.59,14.91 50.915,14.585 50.915,11.844 51.168,11.591 54.74,11.591 55.429,12.28 55.731,12.28 56.42,11.591 57.828,11.591 58.715,12.478 58.715,13.318 60.02,14.623 60.02,16.764 60.165,16.909 60.165,25.267 61.488,26.59 v1(62.03,26.59)
ETH_MDC: R76.1 U13.AA6 U18.13 | length 53.8
  Top Layer w0.1: U18.13@31.75,21.75 32.625,21.75 32.9,21.475 32.9,21.275 32.975,21.2 34.05,21.2 34.5,21.65 R76.1@34.675,21.65 ; v1(33.575,16.525) 33.575,17.325 33.675,17.425 33.675,18.003 35.155,19.483 35.155,21.095 R76.1@34.6,21.65 ; U13.AA6@54.58,27.69 v2(54.83,27.44)
  Signal Layer 1 w0.1: v2(54.83,27.44) 56.195,26.075 56.95,26.075 61.325,21.7 61.325,18.875 59.8,17.35 58.6,17.35 57.55,16.3 56.42,16.3 v1(56.205,16.515)
  Signal Layer 2 w0.1: v1(33.575,16.525) 33.825,16.275 37.756,16.275 38.931,17.45 43.35,17.45 43.65,17.15 49.195,17.15 49.625,17.58 49.848,17.58 ; 49.87,17.602 50.343,18.075 51.95,18.075 52.39,17.635 52.39,16.95 52.75,16.59 52.75,16.055 53.005,15.8 53.858,15.8 54.963,16.905 54.97,16.912 55.808,16.912 v1(56.205,16.515)